# KiCad board KlusterLab r2.0.kicad_pcb (continued)
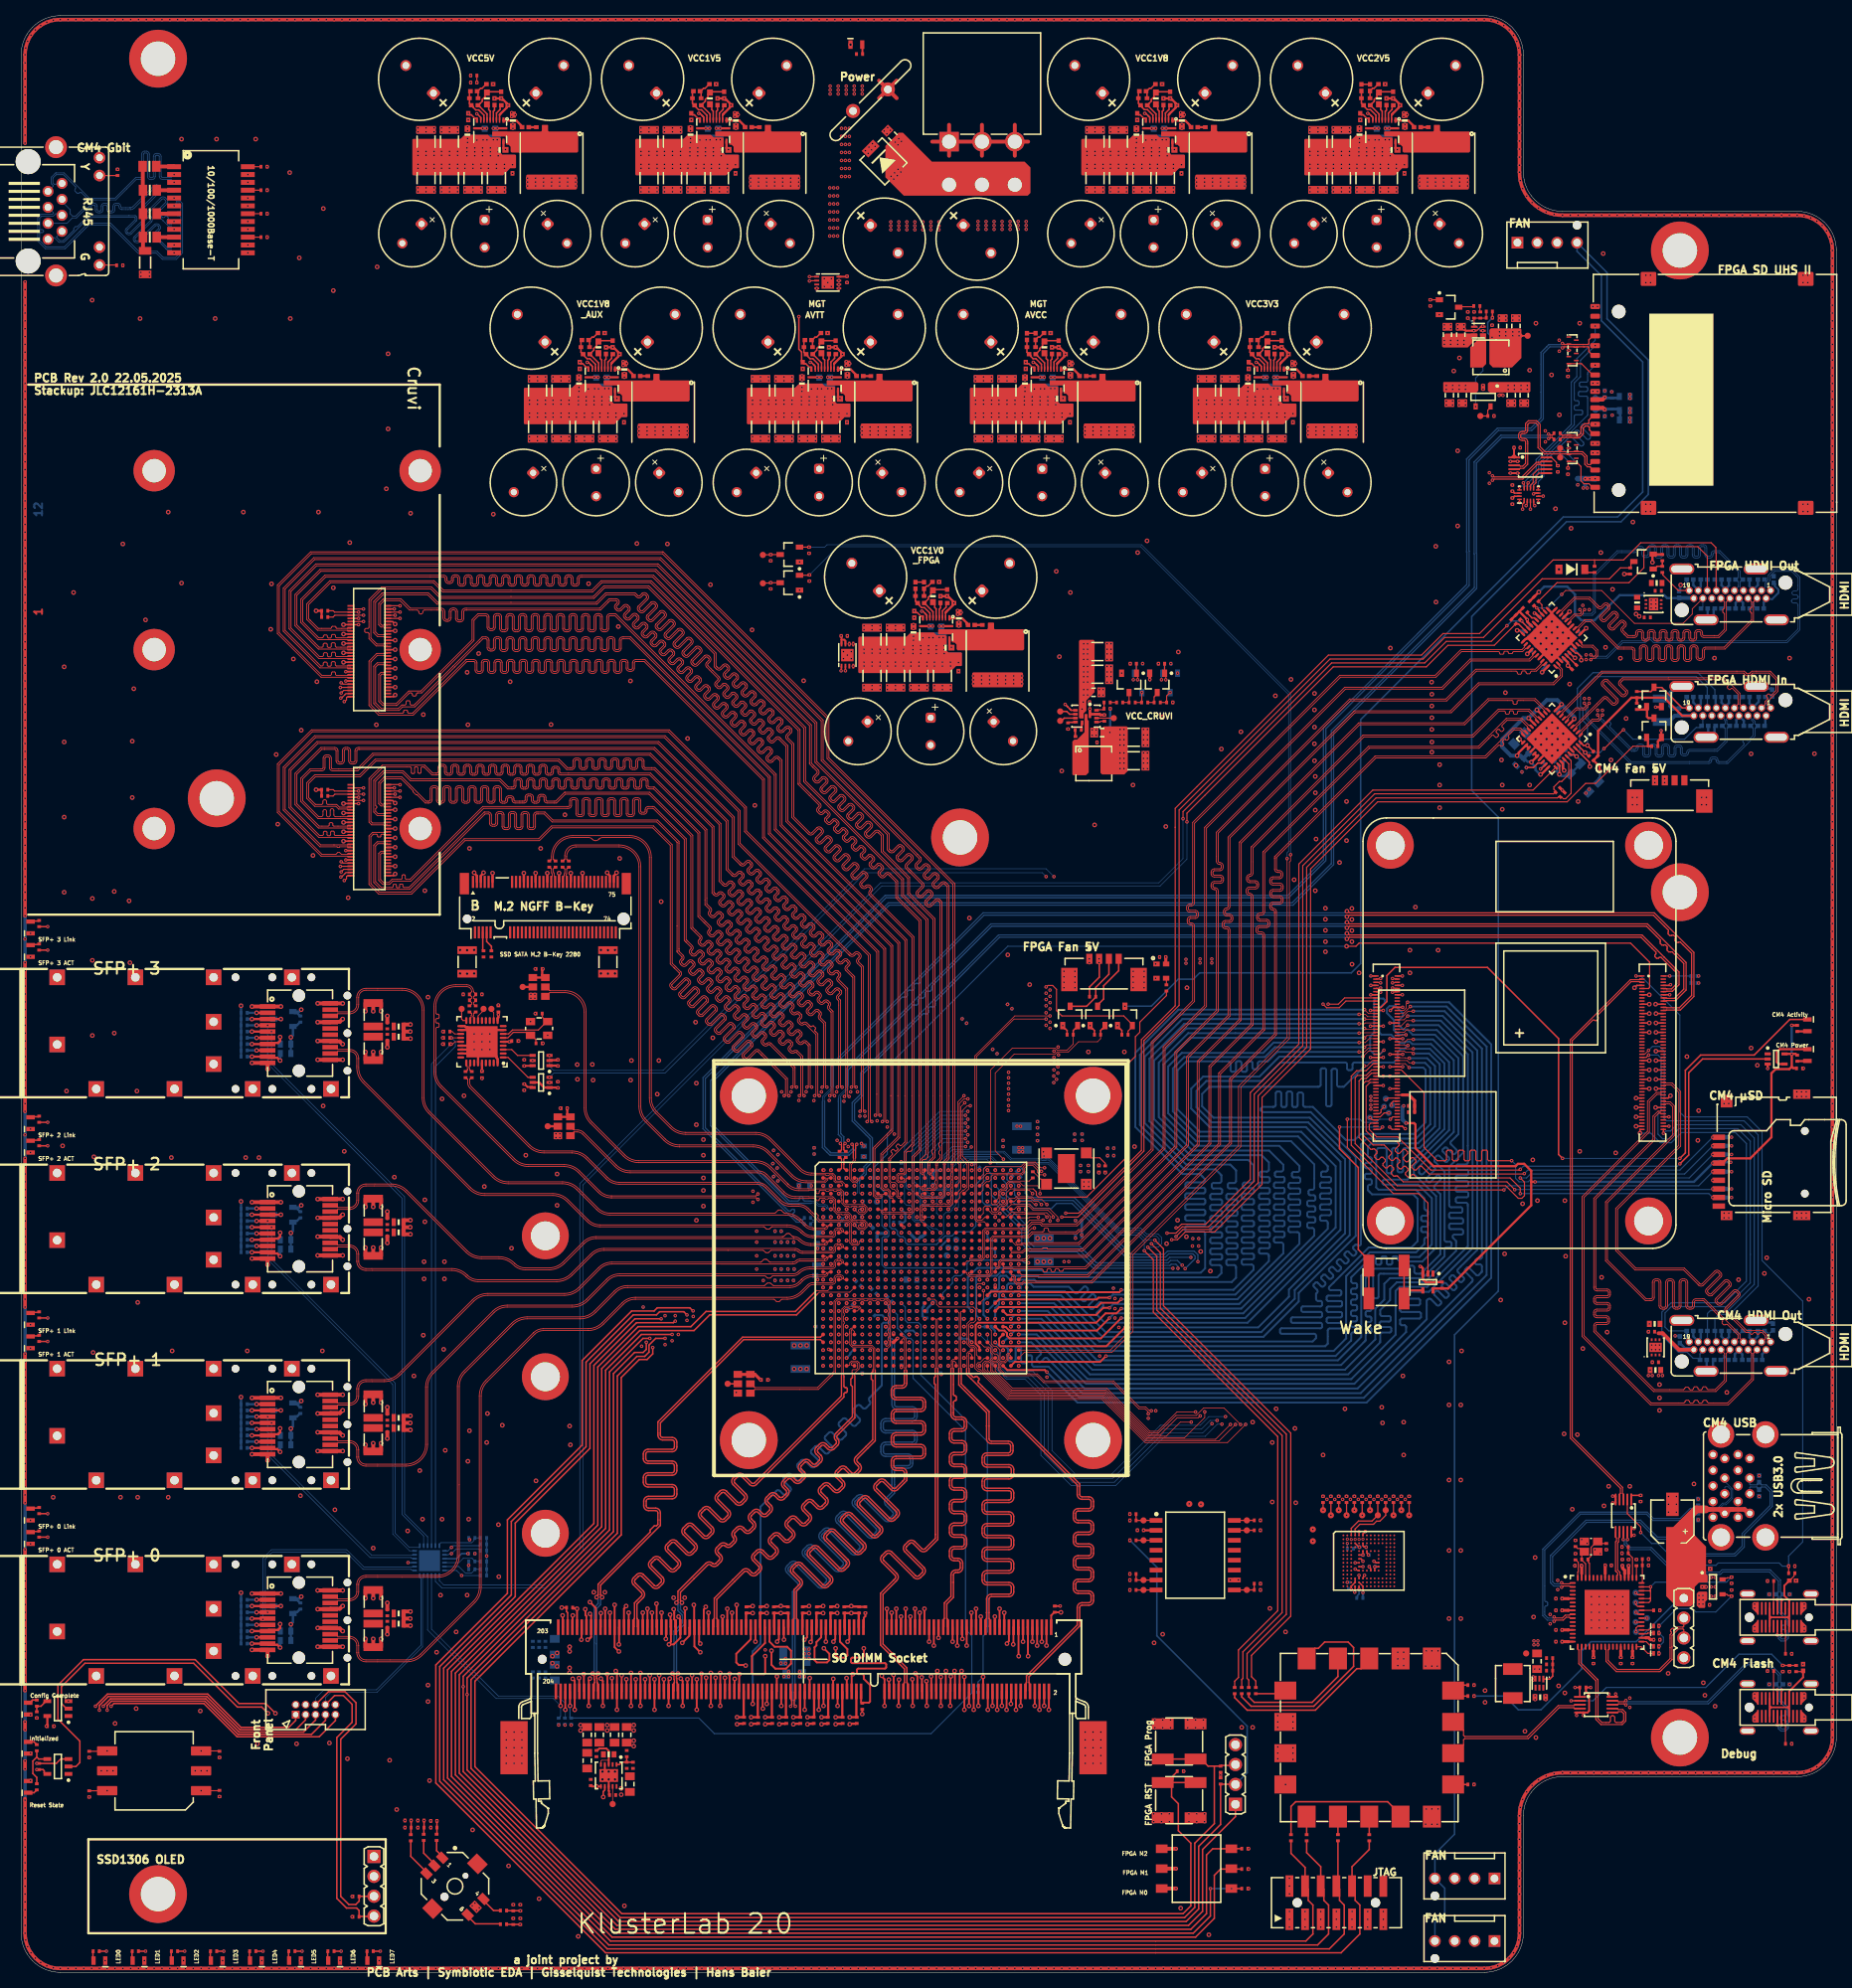
[diagram p0: board, top side]
## Routing (per net, layer and track width the routed paths; a pad name or vN(x,y) marks a point on that pad's centre or on a via; arc(x,y) is an arc through that point) (continued)
CRUVI_A_6_P: length 169.3
  L1 Top w0.1: 109.88,103.72 109.9,103.7 109.9,100.17 110.17,99.9 110.74,99.9 110.9,99.74 110.9,99.12 111.12,98.9 111.36,98.9 111.42,98.84 111.42,98.58
  L1 Top w0.114: J21.14 46.78,172.13 46.38,172.13 46.36,172.11 46.1,172.11 45.94,172.27 45.94,174.79 46.41,175.26 48.43,175.26 49.63,174.05 50.6,174.05 arc(50.76,173.98) 50.83,173.82 50.83,173.78 arc(50.89,173.62) 51.06,173.55 51.11,173.55 arc(51.27,173.62) 51.34,173.78 51.34,173.82 arc(51.41,173.98) 51.57,174.05 53.71,174.05 arc(53.85,173.99) 53.91,173.85 53.91,173.05 arc(54.04,172.74) 54.35,172.61 54.52,172.61 arc(54.83,172.74) 54.96,173.05 54.96,173.87 arc(55.01,174.01) 55.15,174.07 55.32,174.07 arc(55.46,174.01) 55.52,173.87 55.52,172.98 arc(55.65,172.67) 55.96,172.54 56.13,172.54 arc(56.44,172.67) 56.57,172.98 56.57,173.85 arc(56.62,173.99) 56.76,174.05 56.94,174.05 74.04,174.05 75.25,175.26 76.04,175.26 arc(76.19,175.15) 76.16,174.97 75.95,174.76 arc(75.83,174.47) 75.95,174.18 76.11,174.02 arc(76.4,173.9) 76.69,174.02 arc(76.69,174.02) 76.69,174.02 77.16,174.49 arc(77.28,174.54) 77.4,174.49 arc(77.4,174.49) 77.4,174.49 77.56,174.33 arc(77.61,174.21) 77.56,174.09 77.09,173.62 arc(76.97,173.33) 77.09,173.04 77.25,172.88 arc(77.54,172.76) 77.83,172.88 arc(77.83,172.88) 77.83,172.88 78.3,173.35 arc(78.42,173.4) 78.54,173.35 arc(78.54,173.35) 78.54,173.35 78.69,173.19 arc(78.74,173.07) 78.7,172.95 78.23,172.48 arc(78.11,172.19) 78.23,171.9 78.39,171.75 arc(78.68,171.62) 78.97,171.74 arc(78.97,171.75) 78.97,171.75 79.43,172.21 arc(79.55,172.26) 79.67,172.21 arc(79.67,172.21) 79.67,172.21 79.83,172.05 arc(79.83,172.05) 79.83,172.05 arc(79.88,171.93) 79.83,171.82 79.36,171.35 arc(79.24,171.06) 79.36,170.77 79.52,170.61 arc(79.81,170.49) 80.1,170.61 arc(80.1,170.61) 80.1,170.61 80.57,171.08 arc(80.69,171.12) 80.81,171.07 80.97,170.92 arc(80.97,170.92) 80.97,170.92 arc(81.02,170.8) 80.97,170.68 80.5,170.21 arc(80.38,169.92) 80.5,169.63 80.66,169.47 arc(80.95,169.35) 81.24,169.47 81.71,169.94 arc(81.83,169.99) 81.95,169.94 82.11,169.78 arc(82.11,169.78) 82.11,169.78 arc(82.16,169.66) 82.11,169.54 81.64,169.07 arc(81.52,168.78) 81.64,168.49 81.8,168.33 arc(82.09,168.21) 82.38,168.33 82.85,168.8 arc(82.97,168.85) 83.09,168.8 83.25,168.64 arc(83.3,168.52) 83.25,168.4 82.78,167.93 arc(82.66,167.64) 82.78,167.35 82.94,167.19 arc(83.23,167.07) 83.52,167.19 83.99,167.66 arc(84.11,167.71) 84.23,167.66 84.38,167.5 arc(84.43,167.38) 84.38,167.26 83.92,166.79 arc(83.8,166.5) 83.92,166.22 84.08,166.06 arc(84.37,165.94) 84.66,166.06 85.12,166.52 arc(85.24,166.57) 85.36,166.52 85.52,166.37 arc(85.57,166.25) 85.52,166.13 85.05,165.66 arc(84.93,165.37) 85.05,165.08 85.21,164.92 arc(85.5,164.8) 85.79,164.92 86.26,165.39 arc(86.38,165.44) 86.5,165.39 86.66,165.23 arc(86.71,165.11) 86.66,164.99 86.19,164.52 arc(86.07,164.23) 86.19,163.94 86.35,163.78 arc(86.64,163.66) 86.93,163.78 87.4,164.25 arc(87.52,164.3) 87.64,164.25 87.8,164.09 arc(87.85,163.97) 87.8,163.85 87.33,163.38 arc(87.21,163.09) 87.33,162.8 87.49,162.64 arc(87.78,162.52) 88.07,162.64 88.54,163.11 arc(88.66,163.16) 88.78,163.11 88.93,162.95 arc(88.99,162.83) 88.94,162.71 88.47,162.24 arc(88.35,161.95) 88.47,161.66 88.63,161.5 arc(88.92,161.38) 89.21,161.5 arc(89.21,161.5) 89.21,161.5 89.67,161.97 arc(89.79,162.02) 89.91,161.97 90.07,161.81 arc(90.12,161.69) 90.07,161.57 89.61,161.11 arc(89.49,160.82) 89.61,160.53 89.76,160.37 arc(90.05,160.25) 90.34,160.37 arc(90.34,160.37) 90.34,160.37 90.81,160.83 arc(90.93,160.88) 91.05,160.83 91.21,160.68 arc(91.26,160.56) 91.21,160.44 90.74,159.97 arc(90.62,159.68) 90.74,159.39 90.9,159.23 arc(91.19,159.11) 91.48,159.23 arc(91.48,159.23) 91.48,159.23 91.95,159.7 arc(92.07,159.75) 92.19,159.7 92.35,159.54 arc(92.4,159.42) 92.35,159.3 91.88,158.83 arc(91.76,158.54) 91.88,158.25 92.04,158.09 arc(92.33,157.97) 92.62,158.09 arc(92.62,158.09) 92.62,158.09 93.09,158.56 arc(93.21,158.61) 93.33,158.56 93.49,158.4 arc(93.54,158.28) 93.49,158.16 93.02,157.69 arc(92.9,157.4) 93.02,157.11 93.18,156.95 arc(93.47,156.83) 93.76,156.95 94.23,157.42 arc(94.35,157.47) 94.47,157.42 arc(94.47,157.42) 94.47,157.42 94.62,157.26 arc(94.67,157.14) 94.63,157.02 94.16,156.55 arc(94.04,156.26) 94.16,155.97 94.32,155.81 arc(94.61,155.69) 94.9,155.81 arc(94.9,155.82) 94.9,155.82 95.36,156.28 arc(95.48,156.33) 95.6,156.28 arc(95.6,156.28) 95.6,156.28 95.76,156.12 arc(95.81,156) 95.76,155.89 95.29,155.42 arc(95.17,155.13) 95.29,154.84 95.45,154.68 arc(95.74,154.56) 96.03,154.68 arc(96.03,154.68) 96.03,154.68 96.45,155.09 arc(96.57,155.14) 96.69,155.09 97.01,154.78 97.01,146.51 112.05,131.46 112.05,112 112.05,106.75 109.88,104.58 109.88,103.72
CRUVI_A_7_N: length 173.3
  L1 Top w0.1: 112.42,99.42 112.42,99.16 112.36,99.1 112.2,99.1 112.1,99.2 112.1,99.87 111.93,100.05 111.93,100.67 111.65,100.95 111.21,100.95 111.1,101.06 111.1,101.75 111.1,103.7 111.12,103.72
  L1 Top w0.114: J21.22 46.78,170.65 46.38,170.65 46.36,170.67 45.54,170.67 45.06,171.15 45.06,175.15 46.16,176.25 52.05,176.25 53.26,175.04 62.61,175.04 73.49,175.04 74.7,176.25 78.48,176.25 78.83,175.89 arc(78.95,175.84) 79.07,175.89 79.38,176.2 79.39,176.2 arc(79.66,176.28) 79.93,176.16 80.09,176 arc(80.21,175.71) 80.09,175.42 79.04,174.38 arc(79.04,174.38) 79.04,174.38 arc(78.99,174.26) 79.04,174.14 79.2,173.98 arc(79.32,173.93) 79.44,173.98 80.52,175.06 80.52,175.06 arc(80.8,175.15) 81.06,175.03 81.22,174.87 arc(81.34,174.58) 81.22,174.29 80.18,173.24 arc(80.18,173.24) 80.18,173.24 arc(80.13,173.12) 80.18,173.01 80.34,172.85 arc(80.46,172.8) 80.58,172.85 81.66,173.92 81.66,173.92 arc(81.94,174.01) 82.2,173.89 82.36,173.73 arc(82.48,173.44) 82.36,173.15 81.32,172.11 arc(81.32,172.11) 81.32,172.11 arc(81.27,171.99) 81.32,171.87 81.48,171.71 arc(81.6,171.66) 81.72,171.71 82.79,172.79 82.8,172.79 arc(83.08,172.87) 83.34,172.75 83.5,172.59 arc(83.62,172.3) 83.5,172.01 82.46,170.97 arc(82.41,170.85) 82.46,170.73 82.62,170.57 arc(82.74,170.52) 82.86,170.57 83.93,171.65 83.94,171.65 arc(84.21,171.73) 84.48,171.61 84.64,171.45 arc(84.76,171.16) 84.64,170.87 83.59,169.83 arc(83.54,169.71) 83.59,169.59 83.75,169.43 arc(83.87,169.38) 83.99,169.43 85.07,170.51 85.08,170.51 arc(85.35,170.59) 85.62,170.47 85.77,170.31 arc(85.89,170.03) 85.77,169.74 84.73,168.69 arc(84.68,168.57) 84.73,168.45 84.89,168.29 arc(85.01,168.24) 85.13,168.29 86.21,169.37 86.21,169.37 arc(86.49,169.46) 86.75,169.34 86.91,169.18 arc(87.03,168.89) 86.91,168.6 85.87,167.56 arc(85.82,167.44) 85.87,167.32 86.03,167.16 arc(86.15,167.11) 86.27,167.16 87.35,168.23 87.35,168.23 arc(87.63,168.32) 87.89,168.2 88.05,168.04 arc(88.17,167.75) 88.05,167.46 87.78,167.19 arc(87.73,167.07) 87.78,166.95 89.23,165.49 arc(89.33,165.24) 89.23,164.99 88.91,164.67 arc(88.87,164.59) 88.91,164.51 89.15,164.27 arc(89.23,164.24) 89.31,164.27 89.67,164.64 89.68,164.64 arc(89.92,164.71) 90.14,164.6 90.38,164.36 arc(90.48,164.11) 90.38,163.86 89.94,163.42 arc(89.94,163.42) 89.94,163.42 arc(89.9,163.34) 89.94,163.26 90.18,163.03 arc(90.26,162.99) 90.34,163.03 90.81,163.5 90.82,163.5 arc(91.05,163.57) 91.28,163.47 91.52,163.23 arc(91.62,162.98) 91.52,162.73 91.08,162.29 arc(91.08,162.29) 91.08,162.29 arc(91.04,162.21) 91.08,162.13 91.31,161.89 arc(91.39,161.85) 91.47,161.89 91.95,162.36 91.96,162.36 arc(92.19,162.43) 92.41,162.33 92.65,162.09 arc(92.76,161.84) 92.65,161.59 92.21,161.15 arc(92.21,161.15) 92.21,161.15 arc(92.18,161.07) 92.21,160.99 92.45,160.75 arc(92.53,160.72) 92.61,160.75 93.09,161.23 93.09,161.23 arc(93.33,161.29) 93.55,161.19 93.79,160.95 arc(93.89,160.7) 93.79,160.45 93.35,160.01 arc(93.35,160.01) 93.35,160.01 arc(93.32,159.93) 93.35,159.85 93.59,159.61 arc(93.67,159.58) 93.75,159.61 94.23,160.09 94.23,160.09 arc(94.47,160.15) 94.69,160.05 94.93,159.81 arc(95.03,159.56) 94.93,159.31 94.49,158.87 arc(94.46,158.79) 94.49,158.71 94.73,158.47 arc(94.81,158.44) 94.89,158.47 95.36,158.95 95.37,158.95 arc(95.6,159.02) 95.83,158.91 96.07,158.67 arc(96.17,158.42) 96.07,158.17 95.63,157.74 arc(95.59,157.66) 95.63,157.58 95.87,157.34 arc(95.95,157.3) 96.03,157.34 96.46,157.77 arc(96.71,157.87) 96.96,157.77 98,156.73 98,147.13 113.19,131.94 113.19,105.99 111.12,103.92 111.12,103.72
CRUVI_A_7_P: length 173.9
  L1 Top w0.1: 112.42,98.58 112.42,98.84 112.36,98.9 112.12,98.9 111.9,99.12 111.9,99.75 111.58,100.07 111.35,100.07 111.1,100.33 111.1,100.78 110.9,100.97 110.9,101.67 110.9,103.7 110.88,103.72
  L1 Top w0.114: J21.20 46.78,170.93 46.38,170.93 46.36,170.91 45.64,170.91 45.3,171.25 45.3,175.05 46.26,176.01 51.95,176.01 53.16,174.8 73.59,174.8 74.8,176.01 78.38,176.01 78.66,175.72 arc(78.95,175.6) 79.24,175.72 79.52,175.99 arc(79.52,175.99) 79.52,175.99 arc(79.64,176.04) 79.76,175.99 79.91,175.83 arc(79.96,175.71) 79.91,175.59 78.84,174.52 78.84,174.51 arc(78.75,174.24) 78.87,173.97 79.03,173.81 arc(79.32,173.69) 79.61,173.81 80.65,174.86 arc(80.65,174.86) 80.65,174.86 arc(80.77,174.91) 80.89,174.86 81.05,174.7 arc(81.1,174.58) 81.05,174.46 79.98,173.38 79.98,173.37 arc(79.89,173.1) 80.01,172.83 80.17,172.68 arc(80.46,172.56) 80.75,172.68 81.79,173.72 arc(81.79,173.72) 81.79,173.72 arc(81.91,173.77) 82.03,173.72 82.19,173.56 arc(82.24,173.44) 82.19,173.32 81.11,172.24 81.11,172.24 arc(81.03,171.96) 81.15,171.7 81.31,171.54 arc(81.6,171.42) 81.89,171.54 82.93,172.58 arc(83.05,172.63) 83.17,172.58 83.33,172.42 arc(83.38,172.3) 83.33,172.18 82.25,171.1 82.25,171.1 arc(82.17,170.82) 82.29,170.56 82.45,170.4 arc(82.74,170.28) 83.03,170.4 84.07,171.44 arc(84.19,171.49) 84.31,171.44 84.47,171.28 arc(84.52,171.16) 84.47,171.04 83.39,169.97 83.39,169.96 arc(83.31,169.68) 83.42,169.42 83.58,169.26 arc(83.87,169.14) 84.16,169.26 85.21,170.3 arc(85.33,170.35) 85.44,170.3 85.6,170.14 arc(85.65,170.03) 85.6,169.91 84.53,168.83 84.53,168.82 arc(84.44,168.55) 84.56,168.28 84.72,168.12 arc(85.01,168) 85.3,168.12 86.34,169.17 arc(86.46,169.22) 86.58,169.17 86.74,169.01 arc(86.79,168.89) 86.74,168.77 85.66,167.69 85.66,167.69 arc(85.58,167.41) 85.7,167.15 85.86,166.99 arc(86.15,166.87) 86.44,166.99 87.48,168.03 arc(87.6,168.08) 87.72,168.03 87.88,167.87 arc(87.93,167.75) 87.88,167.63 87.61,167.36 arc(87.49,167.07) 87.61,166.78 89.06,165.32 arc(89.09,165.24) 89.06,165.16 88.74,164.84 arc(88.63,164.59) 88.74,164.34 88.98,164.1 arc(89.23,164) 89.48,164.1 89.81,164.43 arc(89.89,164.47) 89.97,164.43 90.21,164.19 arc(90.24,164.11) 90.21,164.03 89.73,163.56 89.73,163.55 arc(89.66,163.32) 89.77,163.09 90.01,162.86 arc(90.26,162.75) 90.51,162.86 90.95,163.29 arc(91.03,163.33) 91.11,163.3 91.35,163.06 arc(91.38,162.98) 91.35,162.9 90.87,162.42 90.87,162.42 arc(90.8,162.18) 90.91,161.96 91.14,161.72 arc(91.39,161.61) 91.64,161.72 92.08,162.16 arc(92.08,162.16) 92.08,162.16 arc(92.16,162.19) 92.24,162.16 92.48,161.92 arc(92.52,161.84) 92.48,161.76 92.01,161.28 92.01,161.28 arc(91.94,161.04) 92.04,160.82 92.28,160.58 arc(92.53,160.48) 92.78,160.58 93.22,161.02 arc(93.22,161.02) 93.22,161.02 arc(93.3,161.05) 93.38,161.02 93.62,160.78 arc(93.65,160.7) 93.62,160.62 93.15,160.15 93.15,160.14 arc(93.08,159.9) 93.18,159.68 93.42,159.44 arc(93.67,159.34) 93.92,159.44 94.36,159.88 arc(94.36,159.88) 94.36,159.88 arc(94.44,159.91) 94.52,159.88 94.76,159.64 arc(94.79,159.56) 94.76,159.48 94.28,159.01 94.28,159 arc(94.22,158.77) 94.32,158.54 94.56,158.3 arc(94.81,158.2) 95.06,158.3 95.5,158.74 arc(95.5,158.74) 95.5,158.74 arc(95.58,158.78) 95.66,158.74 95.9,158.5 arc(95.93,158.42) 95.9,158.35 95.42,157.87 95.42,157.86 arc(95.35,157.63) 95.46,157.4 95.7,157.17 arc(95.95,157.06) 96.2,157.17 96.63,157.6 arc(96.71,157.63) 96.79,157.6 97.76,156.63 97.76,147.03 112.95,131.84 112.95,112 112.95,106.09 112.49,105.63 arc(112.41,105.6) 112.33,105.63 112.16,105.81 arc(112.09,105.84) 112.02,105.81 111.83,105.61 arc(111.8,105.55) 111.83,105.48 112.04,105.27 arc(112.07,105.21) 112.04,105.14 111.84,104.94 arc(111.78,104.92) 111.71,104.94 111.51,105.14 arc(111.45,105.17) 111.38,105.14 111.18,104.95 arc(111.16,104.88) 111.18,104.82 111.35,104.65 arc(111.38,104.57) 111.35,104.49 110.88,104.02 110.88,103.72
CRUVI_A_8_N: length 169.9
  L1 Top w0.1: 113.12,103.58 113.1,103.56 113.1,102.12 112.88,101.9 112.2,101.9 112.1,101.8 112.1,101.2 112.2,101.1 112.8,101.1 112.9,101.2 112.9,101.36 112.84,101.42 112.58,101.42 U1.B11
  L1 Top w0.114: 113.12,103.58 113.12,104.72 113.3,104.9 113.7,104.9 113.9,105.1 113.9,105.5 114.09,105.69 114.09,132.31 108.61,137.79 arc(108.56,137.91) 108.61,138.03 108.68,138.1 arc(108.8,138.39) 108.68,138.68 108.52,138.83 arc(108.23,138.95) 107.94,138.83 107.86,138.75 arc(107.74,138.7) 107.62,138.75 107.46,138.91 arc(107.41,139.03) 107.46,139.15 108.12,139.81 arc(108.24,140.1) 108.12,140.39 107.96,140.55 arc(107.7,140.67) 107.42,140.59 107.42,140.59 106.72,139.89 arc(106.6,139.84) 106.48,139.89 106.32,140.05 arc(106.27,140.17) 106.32,140.29 106.98,140.95 arc(107.1,141.24) 106.98,141.53 106.82,141.69 arc(106.56,141.81) 106.28,141.72 106.28,141.72 105.58,141.03 arc(105.46,140.98) 105.34,141.03 105.18,141.19 arc(105.13,141.31) 105.18,141.43 arc(105.18,141.43) 105.18,141.43 105.84,142.09 arc(105.96,142.38) 105.84,142.67 105.68,142.83 arc(105.42,142.95) 105.14,142.86 105.14,142.86 104.44,142.17 arc(104.32,142.12) 104.21,142.17 104.05,142.33 arc(104,142.45) 104.05,142.56 arc(104.05,142.57) 104.05,142.57 104.71,143.23 arc(104.83,143.52) 104.71,143.8 104.55,143.96 arc(104.28,144.08) 104.01,144 104,144 103.31,143.3 arc(103.19,143.25) 103.07,143.3 102.91,143.46 arc(102.86,143.58) 102.91,143.7 arc(102.91,143.7) 102.91,143.7 103.57,144.36 arc(103.69,144.65) 103.57,144.94 103.41,145.1 arc(103.15,145.22) 102.87,145.14 102.86,145.14 102.17,144.44 arc(102.05,144.39) 101.93,144.44 101.77,144.6 arc(101.72,144.72) 101.77,144.84 102.43,145.5 arc(102.55,145.79) 102.43,146.08 102.27,146.24 arc(102.01,146.36) 101.73,146.28 101.73,146.28 101.05,145.6 arc(100.93,145.55) 100.81,145.6 98.75,147.65 98.75,156.97 98.01,157.72 arc(97.96,157.84) 98.01,157.96 98.41,158.36 arc(98.41,158.36) 98.41,158.36 arc(98.53,158.62) 98.44,158.9 98.44,158.9 98.21,159.13 98.21,159.13 arc(97.93,159.22) 97.67,159.1 97.24,158.68 arc(97.12,158.63) 97,158.68 96.85,158.84 arc(96.8,158.95) 96.85,159.07 97.27,159.5 arc(97.27,159.5) 97.27,159.5 arc(97.39,159.76) 97.3,160.04 97.3,160.04 97.07,160.27 97.07,160.27 arc(96.79,160.36) 96.53,160.24 96.11,159.81 arc(95.99,159.76) 95.87,159.81 95.71,159.97 arc(95.66,160.09) 95.71,160.21 96.13,160.63 arc(96.13,160.63) 96.13,160.64 arc(96.25,160.9) 96.17,161.17 96.17,161.18 95.94,161.41 95.93,161.41 arc(95.65,161.49) 95.39,161.37 94.97,160.95 arc(94.85,160.9) 94.73,160.95 94.57,161.11 arc(94.52,161.23) 94.57,161.35 94.99,161.77 arc(94.99,161.77) 94.99,161.77 arc(95.11,162.04) 95.03,162.31 95.03,162.32 94.8,162.55 94.79,162.55 arc(94.52,162.63) 94.25,162.51 93.83,162.09 arc(93.71,162.04) 93.59,162.09 93.43,162.25 arc(93.38,162.37) 93.43,162.49 93.85,162.91 arc(93.85,162.91) 93.85,162.91 arc(93.97,163.17) 93.89,163.45 93.89,163.46 93.66,163.69 93.65,163.69 arc(93.38,163.77) 93.12,163.65 92.69,163.23 arc(92.57,163.18) 92.45,163.23 92.29,163.39 arc(92.24,163.51) 92.29,163.63 92.72,164.05 arc(92.72,164.05) 92.72,164.05 arc(92.84,164.31) 92.75,164.59 92.75,164.59 92.52,164.82 92.52,164.82 arc(92.24,164.91) 91.98,164.79 91.55,164.36 arc(91.43,164.32) 91.32,164.37 91.16,164.52 arc(91.11,164.64) 91.16,164.76 91.58,165.19 arc(91.58,165.19) 91.58,165.19 arc(91.7,165.45) 91.61,165.73 91.61,165.73 91.38,165.96 91.38,165.96 arc(91.1,166.05) 90.84,165.93 90.42,165.5 arc(90.3,165.45) 90.18,165.5 90.02,165.66 arc(89.97,165.78) 90.02,165.9 90.44,166.32 arc(90.56,166.59) 90.48,166.86 90.48,166.87 90.25,167.1 90.24,167.1 arc(89.96,167.18) 89.7,167.06 89.3,166.66 arc(89.18,166.61) 89.06,166.66 88.82,166.91 88.82,168.56 80.23,177.15 74.48,177.15 73.13,175.79 62.61,175.79 53.66,175.79 52.46,177 46.06,177 44.46,175.4 44.46,171.86 arc(44.41,171.75) 44.31,171.71 44.07,171.71 arc(43.96,171.66) 43.91,171.55 43.91,171.35 arc(43.96,171.24) 44.07,171.19 44.31,171.19 arc(44.41,171.15) 44.46,171.04 44.46,170.39 45.38,169.47 46.36,169.47 46.38,169.45 46.78,169.45 J21.28
CRUVI_A_8_P: length 168.3
  L1 Top w0.1: 112.88,103.58 112.9,103.56 112.9,102.2 112.8,102.1 112.12,102.1 111.9,101.88 111.9,101.12 112.12,100.9 112.88,100.9 113.1,101.12 113.1,101.36 113.16,101.42 113.42,101.42 U1.B12
  L1 Top w0.114: J21.26 46.78,169.73 46.38,169.73 46.36,169.71 45.47,169.71 44.7,170.48 44.7,175.3 46.16,176.76 52.36,176.76 53.56,175.55 73.23,175.55 74.58,176.91 80.13,176.91 88.58,168.46 88.58,166.81 88.89,166.49 arc(89.18,166.37) 89.47,166.49 89.87,166.89 arc(89.99,166.94) 90.11,166.89 90.27,166.73 arc(90.27,166.73) 90.27,166.73 arc(90.32,166.61) 90.27,166.5 89.85,166.07 arc(89.73,165.78) 89.85,165.49 90.01,165.33 arc(90.3,165.21) 90.59,165.33 ; 106.65,141.52 106.81,141.36 arc(106.86,141.24) 106.81,141.12 106.12,140.42 106.12,140.42 arc(106.03,140.14) 106.15,139.88 106.31,139.72 arc(106.6,139.6) 106.89,139.72 107.55,140.38 arc(107.67,140.43) 107.79,140.38 107.95,140.22 arc(108,140.1) 107.95,139.98 107.25,139.29 107.25,139.28 arc(107.17,139) 107.29,138.74 107.45,138.58 arc(107.74,138.46) 108.03,138.58 108.11,138.66 arc(108.23,138.71) 108.35,138.66 108.51,138.5 arc(108.56,138.39) 108.51,138.27 108.44,138.2 arc(108.32,137.91) 108.44,137.62 109.97,136.09 113.85,132.21 113.85,112 113.85,105.79 112.88,104.82 112.88,103.58 ; 90.59,165.33 91.01,165.76 arc(91.13,165.81) 91.25,165.76 91.41,165.6 arc(91.41,165.6) 91.41,165.6 arc(91.46,165.48) 91.41,165.36 90.99,164.93 arc(90.87,164.64) 90.99,164.35 91.14,164.19 arc(91.43,164.07) 91.72,164.19 92.15,164.62 arc(92.27,164.67) 92.39,164.62 92.55,164.46 arc(92.6,164.34) 92.55,164.22 92.12,163.8 arc(92,163.51) 92.12,163.22 92.28,163.06 arc(92.57,162.94) 92.86,163.06 93.29,163.48 arc(93.41,163.53) 93.53,163.48 93.68,163.32 arc(93.73,163.2) 93.68,163.08 93.26,162.66 arc(93.14,162.37) 93.26,162.08 93.42,161.92 arc(93.71,161.8) 94,161.92 94.42,162.34 arc(94.54,162.39) 94.66,162.34 94.82,162.18 arc(94.87,162.06) 94.82,161.94 94.4,161.52 arc(94.28,161.23) 94.4,160.94 94.56,160.78 arc(94.85,160.66) 95.14,160.78 95.56,161.2 arc(95.68,161.25) 95.8,161.2 95.96,161.05 arc(96.01,160.93) 95.96,160.81 95.54,160.38 arc(95.42,160.09) 95.54,159.8 95.7,159.64 arc(95.99,159.52) 96.28,159.64 96.7,160.07 arc(96.82,160.12) 96.94,160.07 97.1,159.91 arc(97.15,159.79) 97.1,159.67 96.67,159.24 arc(96.55,158.95) 96.67,158.66 96.83,158.51 arc(97.12,158.39) 97.41,158.51 97.84,158.93 arc(97.96,158.98) 98.08,158.93 98.23,158.77 arc(98.29,158.65) 98.24,158.53 97.84,158.13 arc(97.72,157.84) 97.84,157.55 98.51,156.88 98.51,147.55 100.64,145.43 arc(100.93,145.31) 101.22,145.43 101.86,146.07 arc(101.98,146.12) 102.1,146.07 102.26,145.91 arc(102.31,145.79) 102.26,145.67 101.56,144.98 101.56,144.97 arc(101.48,144.69) 101.6,144.43 101.76,144.27 arc(102.05,144.15) 102.34,144.27 103,144.93 arc(103.12,144.98) 103.24,144.93 103.4,144.77 arc(103.45,144.65) 103.4,144.53 102.7,143.84 102.7,143.83 arc(102.62,143.56) 102.74,143.29 102.9,143.13 arc(103.19,143.01) 103.48,143.13 104.14,143.79 arc(104.26,143.84) 104.38,143.79 104.54,143.63 arc(104.59,143.52) 104.54,143.4 103.84,142.7 103.84,142.7 arc(103.76,142.42) 103.88,142.15 104.03,142 arc(104.32,141.88) 104.61,142 105.27,142.66 arc(105.39,142.71) 105.51,142.66 105.67,142.5 arc(105.72,142.38) 105.67,142.26 104.98,141.56 104.98,141.56 arc(104.89,141.28) 105.01,141.02 105.17,140.86 arc(105.46,140.74) 105.75,140.86 106.41,141.52 arc(106.53,141.57) 106.65,141.52
CRUVI_A_9_N: length 169.3
  L1 Top w0.114: J21.34 46.78,168.25 46.38,168.25 46.36,168.27 45.54,168.27 44.7,167.43 44.7,161.96 45.79,160.87 48.78,160.87 48.88,160.98 48.88,161.17 48.98,161.27 49.29,161.27 49.39,161.17 49.39,160.98 49.5,160.87 50.02,160.87 56.87,167.72 57.85,167.72 arc(58.14,167.6) 58.26,167.32 58.26,166.38 arc(58.31,166.26) 58.43,166.21 58.65,166.21 arc(58.77,166.26) 58.82,166.38 58.82,167.34 arc(58.94,167.63) 59.23,167.75 59.46,167.75 arc(59.75,167.63) 59.87,167.34 59.87,166.38 arc(59.92,166.26) 60.04,166.21 60.26,166.21 arc(60.38,166.26) 60.43,166.38 60.43,167.34 arc(60.55,167.63) 60.84,167.75 61.07,167.75 arc(61.36,167.63) 61.48,167.34 61.48,166.38 arc(61.53,166.26) 61.65,166.21 61.87,166.21 arc(61.99,166.26) 62.04,166.38 62.04,167.34 arc(62.16,167.63) 62.45,167.75 62.68,167.75 arc(62.97,167.63) 63.09,167.34 63.09,166.38 arc(63.14,166.26) 63.26,166.21 63.48,166.21 arc(63.6,166.26) 63.65,166.38 63.65,167.34 arc(63.77,167.63) 64.06,167.75 64.29,167.75 arc(64.58,167.63) 64.7,167.34 64.7,166.38 arc(64.75,166.26) 64.87,166.21 65.09,166.21 arc(65.21,166.26) 65.26,166.38 65.26,167.34 arc(65.38,167.63) 65.67,167.75 65.9,167.75 arc(66.19,167.63) 66.31,167.34 66.31,166.38 arc(66.36,166.26) 66.48,166.21 66.7,166.21 arc(66.82,166.26) 66.87,166.38 66.87,167.34 arc(66.99,167.63) 67.28,167.75 67.51,167.75 arc(67.8,167.63) 67.92,167.34 67.92,166.38 arc(67.96,166.26) 68.08,166.21 68.31,166.21 arc(68.43,166.26) 68.48,166.38 68.48,167.34 arc(68.6,167.63) 68.89,167.75 69.11,167.75 arc(69.4,167.63) 69.52,167.34 69.52,166.38 arc(69.57,166.26) 69.69,166.21 69.92,166.21 arc(70.04,166.26) 70.09,166.38 70.09,167.34 arc(70.21,167.63) 70.5,167.75 70.72,167.75 arc(71.01,167.63) 71.13,167.34 71.13,166.38 arc(71.18,166.26) 71.3,166.21 71.53,166.21 arc(71.65,166.26) 71.7,166.38 71.7,167.34 arc(71.82,167.63) 72.11,167.75 72.33,167.75 arc(72.62,167.63) 72.74,167.34 72.74,166.38 arc(72.79,166.26) 72.91,166.21 73.14,166.21 arc(73.26,166.26) 73.31,166.38 73.31,167.34 arc(73.43,167.63) 73.72,167.75 73.94,167.75 arc(74.23,167.63) 74.35,167.34 74.35,166.38 arc(74.4,166.26) 74.52,166.21 74.75,166.21 arc(74.87,166.26) 74.92,166.38 74.92,167.34 arc(75.04,167.63) 75.33,167.75 75.55,167.75 arc(75.84,167.63) 75.96,167.34 75.96,166.38 arc(76.01,166.26) 76.13,166.21 76.36,166.21 arc(76.48,166.26) 76.53,166.38 76.53,167.34 arc(76.65,167.63) 76.94,167.75 77.16,167.75 arc(77.45,167.63) 77.57,167.34 77.57,166.64 arc(77.62,166.52) 77.74,166.47 77.97,166.47 arc(78.08,166.52) 78.13,166.64 78.13,167.32 arc(78.25,167.6) 78.54,167.72 79.73,167.73 95,152.45 95,145.04 109.59,130.45 ; 109.6,109.48 109.6,130.45
  L3 Inner2 (Sig) w0.1: 114.57,97.43 v1(114.5,97.5) 114.84,97.5 114.9,97.56 114.9,98.71 115.2,99.01 115.2,99.9 115.12,99.98 115.12,107.98 114.99,108.11 114.79,108.11 114.77,108.09 114.57,108.09 114.38,108.28 114.38,108.48 114.49,108.6 114.49,108.79 114.3,108.98 114.11,108.98 113.99,108.87 113.79,108.87 113.6,109.06 113.6,109.26 113.62,109.28 113.62,109.48 113,110.1 109.85,110.1 109.65,109.9 109.65,109.73 109.78,109.59 v1(109.78,109.5)
CRUVI_A_9_P: length 169.2
  L1 Top w0.114: 109.35,109.5 109.35,112.2 109.35,130.35 94.76,144.94 94.76,152.35 79.63,167.48 78.54,167.48 arc(78.42,167.43) 78.38,167.32 78.38,166.64 arc(78.26,166.35) 77.97,166.23 77.74,166.23 arc(77.45,166.35) 77.33,166.64 77.33,167.34 arc(77.28,167.46) 77.16,167.51 76.94,167.51 arc(76.82,167.46) 76.77,167.34 76.77,166.38 arc(76.65,166.09) 76.36,165.97 76.13,165.97 arc(75.84,166.09) 75.72,166.38 75.72,167.34 arc(75.67,167.46) 75.55,167.51 75.33,167.51 arc(75.21,167.46) 75.16,167.34 75.16,166.38 arc(75.04,166.09) 74.75,165.97 74.52,165.97 arc(74.23,166.09) 74.11,166.38 74.11,167.34 arc(74.06,167.46) 73.94,167.51 73.72,167.51 arc(73.6,167.46) 73.55,167.34 73.55,166.38 arc(73.43,166.09) 73.14,165.97 72.91,165.97 arc(72.62,166.09) 72.5,166.38 72.5,167.34 arc(72.45,167.46) 72.33,167.51 72.11,167.51 arc(71.99,167.46) 71.94,167.34 71.94,166.38 arc(71.82,166.09) 71.53,165.97 71.3,165.97 arc(71.01,166.09) 70.89,166.38 70.89,167.34 arc(70.84,167.46) 70.72,167.51 70.5,167.51 arc(70.38,167.46) 70.33,167.34 70.33,166.38 arc(70.21,166.09) 69.92,165.97 69.69,165.97 arc(69.4,166.09) 69.28,166.38 69.28,167.34 arc(69.23,167.46) 69.11,167.51 68.89,167.51 arc(68.77,167.46) 68.72,167.34 68.72,166.38 arc(68.6,166.09) 68.31,165.97 68.08,165.97 arc(67.79,166.09) 67.67,166.38 67.67,167.34 arc(67.63,167.46) 67.51,167.51 67.28,167.51 arc(67.16,167.46) 67.11,167.34 67.11,166.38 arc(66.99,166.09) 66.7,165.97 66.48,165.97 arc(66.19,166.09) 66.07,166.38 66.07,167.34 arc(66.02,167.46) 65.9,167.51 65.67,167.51 arc(65.55,167.46) 65.5,167.34 65.5,166.38 arc(65.38,166.09) 65.09,165.97 64.87,165.97 arc(64.58,166.09) 64.46,166.38 64.46,167.34 arc(64.41,167.46) 64.29,167.51 64.06,167.51 arc(63.94,167.46) 63.89,167.34 63.89,166.38 arc(63.77,166.09) 63.48,165.97 63.26,165.97 arc(62.97,166.09) 62.85,166.38 62.85,167.34 arc(62.8,167.46) 62.68,167.51 62.45,167.51 arc(62.33,167.46) 62.28,167.34 62.28,166.38 arc(62.16,166.09) 61.87,165.97 61.65,165.97 arc(61.36,166.09) 61.24,166.38 61.24,167.34 arc(61.19,167.46) 61.07,167.51 60.84,167.51 arc(60.72,167.46) 60.67,167.34 60.67,166.38 arc(60.55,166.09) 60.26,165.97 60.04,165.97 arc(59.75,166.09) 59.63,166.38 59.63,167.34 arc(59.58,167.46) 59.46,167.51 59.23,167.51 arc(59.11,167.46) 59.06,167.34 59.06,166.38 arc(58.94,166.09) 58.65,165.97 58.43,165.97 arc(58.14,166.09) 58.02,166.38 58.02,167.32 arc(57.97,167.43) 57.85,167.48 56.97,167.48 50.12,160.63 45.69,160.63 44.46,161.86 44.46,167.53 45.44,168.51 46.36,168.51 46.38,168.53 46.78,168.53 J21.32
  L3 Inner2 (Sig) w0.1: v1(109.18,109.5) 109.18,109.59 109.32,109.73 109.32,110.04 109.71,110.43 113.14,110.43 115.45,108.12 115.45,99.95 115.4,99.9 115.4,98.93 115.1,98.63 115.1,97.56 115.16,97.5 v1(115.5,97.5)
CRUVI_A_10_N: length 159.8
  L1 Top w0.114: 110.49,108.7 110.49,130.82 95.75,145.56 95.75,152.76 77.89,170.62 76.87,170.62 arc(76.58,170.5) 76.46,170.22 76.46,169.17 arc(76.41,169.05) 76.29,169 76.06,169 arc(75.94,169.05) 75.89,169.17 75.89,170.23 arc(75.77,170.52) 75.48,170.64 75.26,170.64 arc(74.97,170.52) 74.85,170.23 74.85,169.17 arc(74.8,169.05) 74.68,169 74.45,169 arc(74.33,169.05) 74.28,169.17 74.28,170.23 arc(74.16,170.52) 73.87,170.64 73.65,170.64 arc(73.36,170.52) 73.24,170.23 73.24,169.17 arc(73.19,169.05) 73.07,169 72.84,169 arc(72.72,169.05) 72.67,169.17 72.67,170.23 arc(72.55,170.52) 72.26,170.64 72.04,170.64 arc(71.75,170.52) 71.63,170.23 71.63,169.17 arc(71.58,169.05) 71.46,169 71.23,169 arc(71.11,169.05) 71.07,169.17 71.07,170.23 arc(70.95,170.52) 70.66,170.64 70.43,170.64 arc(70.14,170.52) 70.02,170.23 70.02,169.17 arc(69.97,169.05) 69.85,169 69.63,169 arc(69.51,169.05) 69.46,169.17 69.46,170.23 arc(69.34,170.52) 69.05,170.64 68.82,170.64 arc(68.53,170.52) 68.41,170.23 68.41,169.17 arc(68.36,169.05) 68.24,169 68.02,169 arc(67.9,169.05) 67.85,169.17 67.85,170.23 arc(67.73,170.52) 67.44,170.64 67.21,170.64 arc(66.92,170.52) 66.8,170.23 66.8,169.17 arc(66.75,169.05) 66.63,169 66.41,169 arc(66.29,169.05) 66.24,169.17 66.24,170.23 arc(66.12,170.52) 65.83,170.64 65.6,170.64 arc(65.31,170.52) 65.19,170.23 65.19,169.17 arc(65.14,169.05) 65.02,169 64.8,169 arc(64.68,169.05) 64.63,169.17 64.63,170.23 arc(64.51,170.52) 64.22,170.64 63.99,170.64 arc(63.7,170.52) 63.58,170.23 63.58,169.17 arc(63.53,169.05) 63.41,169 63.19,169 arc(63.07,169.05) 63.02,169.17 63.02,170.23 arc(62.9,170.52) 62.61,170.64 62.38,170.64 arc(62.09,170.52) 61.97,170.23 61.97,169.17 arc(61.92,169.05) 61.8,169 61.58,169 arc(61.46,169.05) 61.41,169.17 61.41,170.23 arc(61.29,170.52) 61,170.64 60.77,170.64 arc(60.48,170.52) 60.36,170.23 60.36,169.23 arc(60.32,169.11) 60.2,169.06 59.97,169.06 arc(59.85,169.11) 59.8,169.23 59.8,170.22 arc(59.68,170.5) 59.39,170.63 58.92,170.62 50.22,161.93 49.86,161.93 arc(49.75,161.97) 49.71,162.08 49.71,162.31 arc(49.66,162.42) 49.55,162.47 49.35,162.47 arc(49.24,162.42) 49.19,162.31 49.19,162.08 arc(49.15,161.97) 49.04,161.93 48.65,161.93 48.2,161.47 46.04,161.47 45.3,162.21 45.3,166.77 45.6,167.07 46.36,167.07 46.38,167.05 46.78,167.05 J21.40